# KiCad board AmigaPCI Mainboard.kicad_pcb (continued)
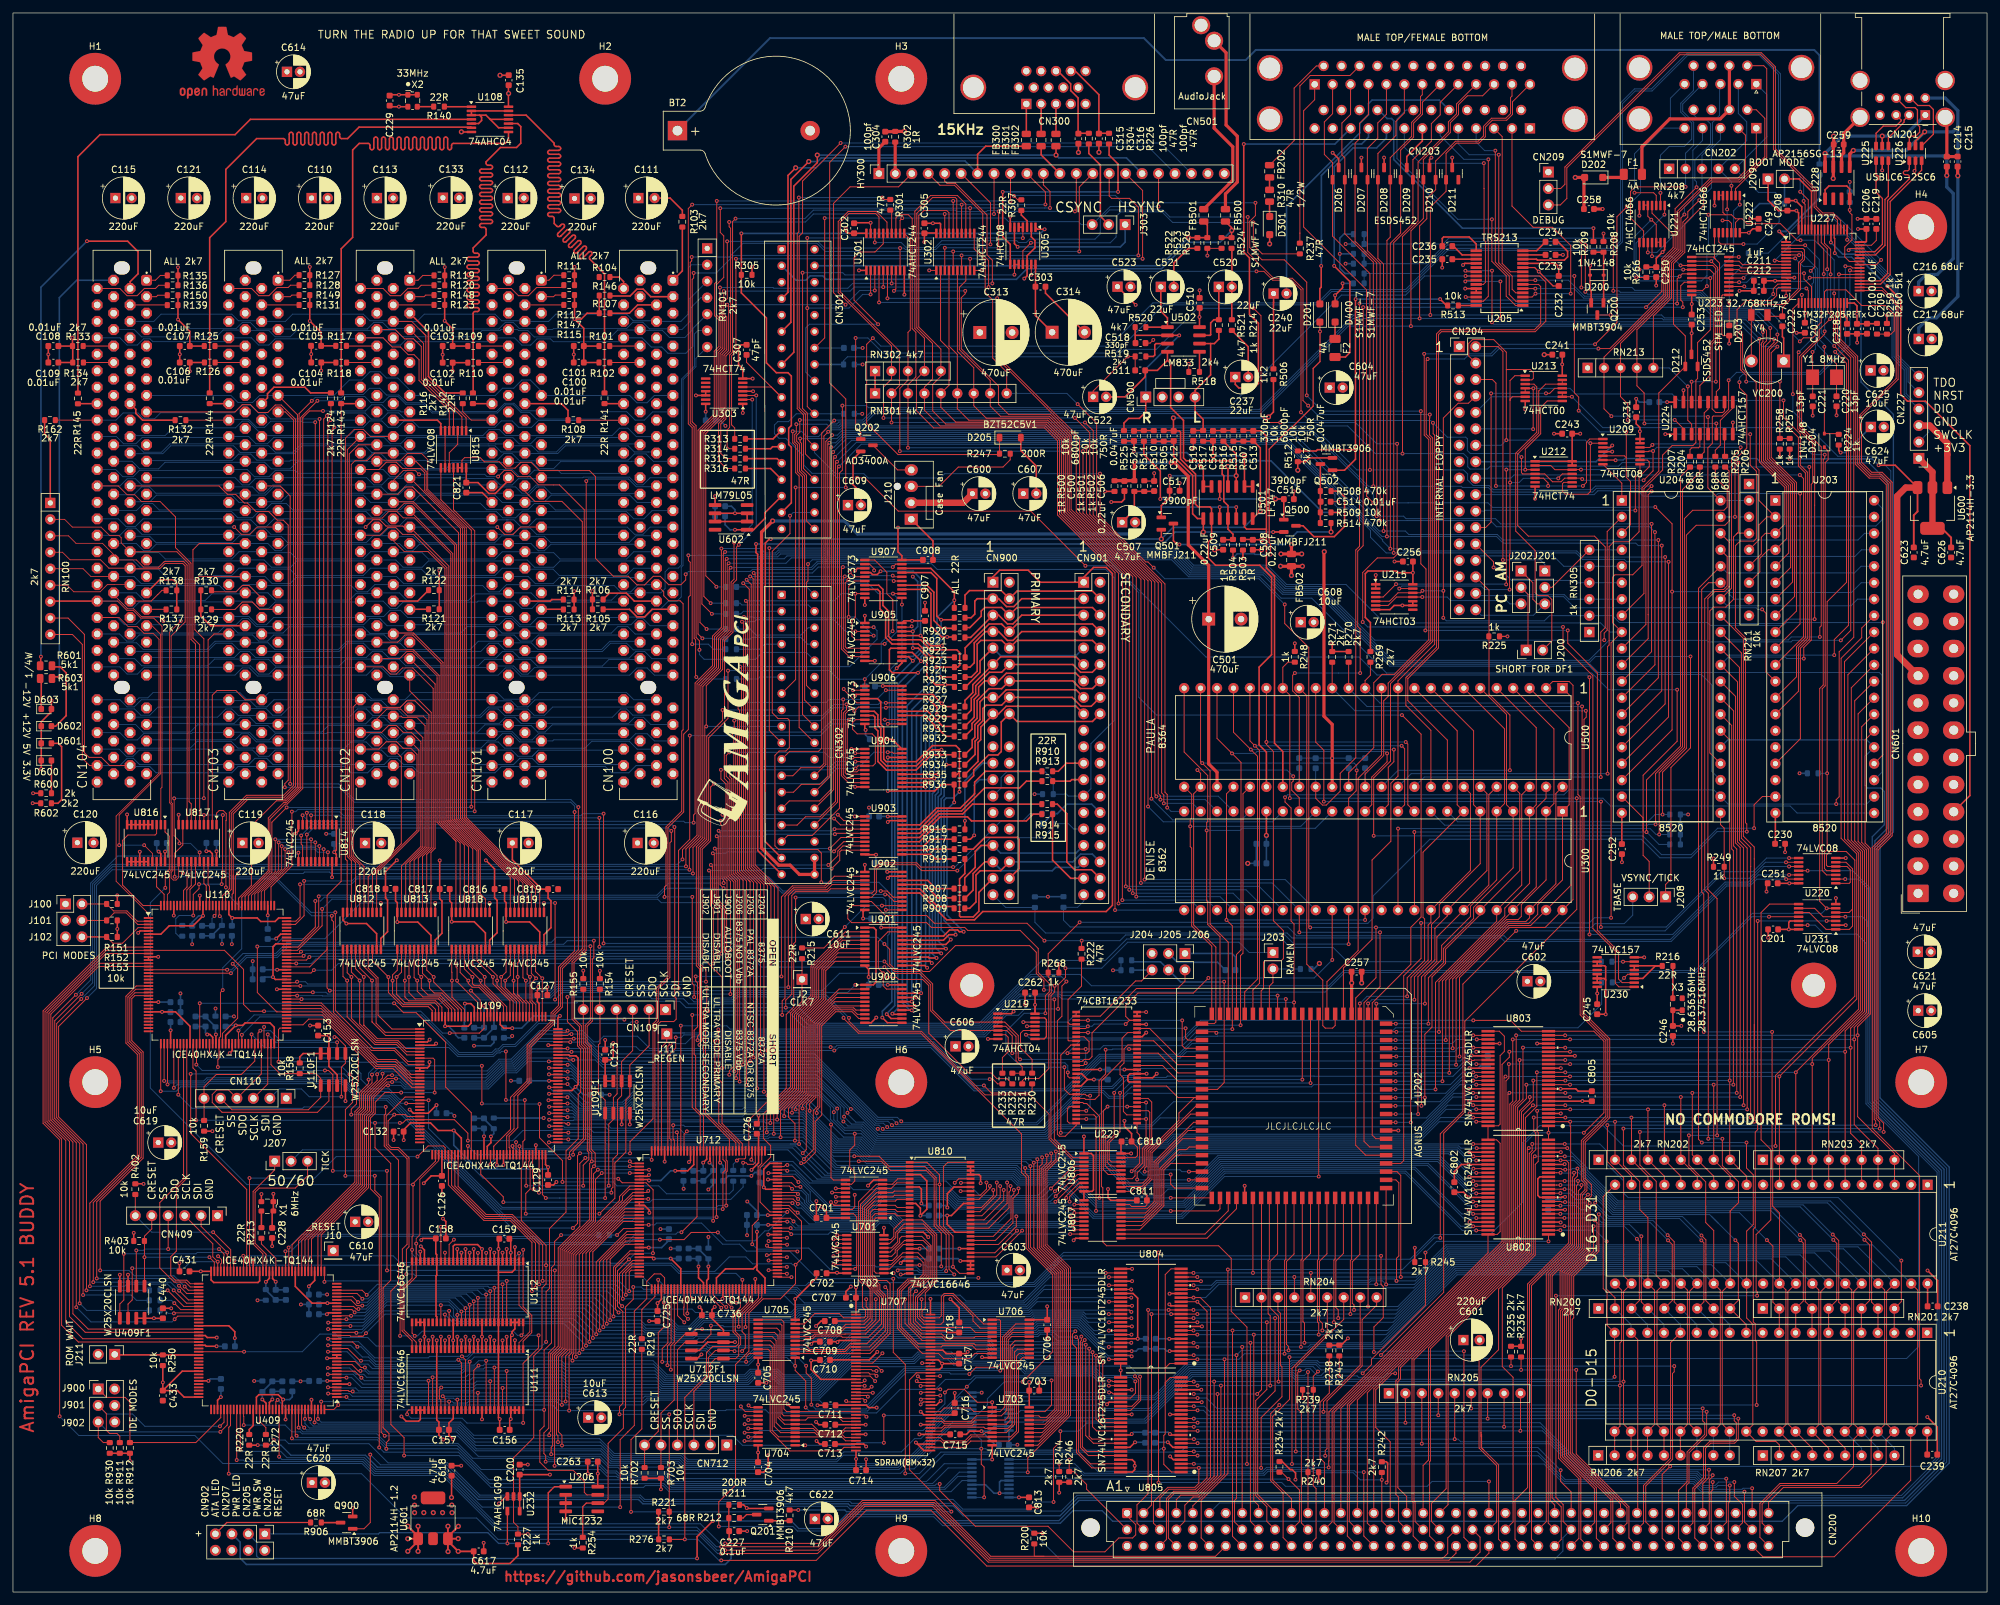
[diagram p0: board, top side]
## Routing (per net, layer and track width the routed paths; a pad name or vN(x,y) marks a point on that pad's centre or on a via; arc(x,y) is an arc through that point) (continued)
LVD2: length 247.8
  Top w0.15: U900.5 126.88,91.16 123.67,87.95 123.67,76.53 122.49,75.34 122.49,68.32 v1(121.94,67.77) ; 227.75,57.75 225.94,57.75 ; U109.64 78.23,68.82 v1(78.21,68.85) ; U704.13 112.99,27.21 v1(112.98,27.21)
  In2.Cu w0.15: v1(112.98,27.21) 102.53,37.66 102.53,48.92 105.51,51.9 108.28,51.9 120.68,64.3 120.68,66.37 121.94,67.63 v1(121.94,67.77)
  Bottom w0.15: v1(78.21,68.85) 78.62,68.44 83.06,68.44 83.51,68.88 120.83,68.88 v1(121.94,67.77) 125.35,64.37 154.37,64.37 155.28,63.45 159.21,63.45 159.66,63.9 162.72,63.9 167.17,59.44 181.06,59.44 186.9,65.29 216.38,65.29 223.91,57.75 v1(225.94,57.75)
LVD3: length 246.2
  Top w0.15: v1(121.38,69.19) 121.38,75.09 123.07,76.78 123.07,88.2 127.33,92.46 U900.3 ; 227.75,58.38 225.45,58.38 ; v1(113.54,26.57) 113.54,26.56 U704.14 ; U109.73 v1(82.76,69.44)
  In2.Cu w0.15: v1(121.38,69.19) 121.38,67.49 120.38,66.49 120.38,64.43 108.15,52.2 105.38,52.2 102.22,49.04 102.22,37.22 112.88,26.57 v1(113.54,26.57)
  Bottom w0.15: 120.03,69.19 v1(121.38,69.19) 121.38,69.08 125.79,64.66 154.49,64.66 155.41,63.75 159.09,63.75 159.54,64.2 162.84,64.2 167.3,59.75 180.93,59.75 186.78,65.59 216.5,65.59 223.7,58.39 v1(225.45,58.39) ; 120.03,69.19 91.68,69.19 91.5,69.37 82.84,69.37 v1(82.76,69.44) ; 120.03,69.19 121.27,69.19
LVD4: length 249.1
  Top w0.15: U901.8 127.18,98.05 125.19,96.06 125.19,91.59 122.17,88.57 122.17,77.15 119.74,74.72 119.74,73.34 120.74,72.34 v1(120.74,69.71) ; 227.75,59.65 225.94,59.65 ; U109.74 85.7,69.94 v1(85.75,69.89) ; U704.15 112.99,25.91 v1(112.98,25.92)
  In2.Cu w0.15: v1(120.74,69.71) 120.74,67.28 120.08,66.62 120.08,64.55 108.03,52.5 105.26,52.5 101.93,49.16 101.93,36.97 v1(112.98,25.92)
  Bottom w0.15: v1(85.75,69.89) 88.9,69.89 89.08,69.71 v1(120.74,69.71) 121.82,69.71 126.56,64.96 154.62,64.96 155.53,64.05 158.96,64.05 159.41,64.5 162.97,64.5 167.42,60.05 180.81,60.05 186.65,65.89 218.39,65.89 224.62,59.65 v1(225.94,59.65)
LVD5: length 253.1
  Top w0.15: v1(113.54,25.26) 113.54,25.26 U704.16 ; U109.75 v1(82.79,70.44) ; v1(118.52,70.24) 118.51,70.24 118.51,74.34 121.57,77.4 121.57,88.82 124.41,91.65 124.41,96.13 127.63,99.35 U901.6 ; 227.75,60.29 225.44,60.29
  In2.Cu w0.15: v1(113.54,25.26) 112.9,25.26 101.62,36.53 101.62,49.29 105.14,52.8 107.9,52.8 118.52,63.42 v1(118.52,70.24)
  Bottom w0.15: v1(225.44,60.29) 224.41,60.29 218.51,66.19 186.53,66.19 180.68,60.34 167.55,60.34 163.09,64.8 159.29,64.8 158.84,64.35 155.66,64.35 154.74,65.26 126.97,65.26 122,70.24 v1(118.52,70.24) 116.8,70.24 116.57,70.01 89.2,70.01 88.8,70.41 82.81,70.41 v1(82.79,70.44)
LVD6: length 252.4
  Top w0.15: 115.05,24.62 112.97,24.62 v1(112.97,24.61) ; 227.75,61.56 225.94,61.56 ; U901.4 128.08,100.65 123.81,96.38 123.81,91.9 120.97,89.07 120.97,77.65 117.47,74.14 117.47,70.76 v1(117.47,70.76) ; U109.76 v1(85.75,70.94)
  In2.Cu w0.15: v1(112.97,24.61) 101.32,36.25 101.32,49.41 105.01,53.1 107.78,53.1 118.22,63.54 118.22,68.92 117.47,69.67 v1(117.47,70.76)
  Bottom w0.15: v1(85.75,70.94) 88.7,70.94 89.33,70.31 116.45,70.31 116.9,70.76 v1(117.47,70.76) 121.89,70.76 127.09,65.56 154.87,65.56 155.78,64.65 158.71,64.65 159.16,65.1 169.23,65.1 173.16,61.17 177.29,61.17 178.34,62.22 182.14,62.22 186.41,66.49 219.96,66.49 224.88,61.56 v1(225.94,61.56)
LVD7: length 257.4
  Top w0.15: U109.78 v1(82.79,71.94) ; 116.39,71.28 116.39,73.92 120.37,77.9 120.37,89.32 123.21,92.15 123.21,96.63 128.53,101.95 U901.2 ; v1(113.54,23.96) 113.54,23.96 U704.18 ; 227.75,62.19 225.45,62.19
  In2.Cu w0.15: 116.39,71.28 116.39,70.33 117.92,68.8 117.92,63.66 107.66,53.4 104.89,53.4 101.03,49.54 101.03,35.81 112.88,23.96 v1(113.54,23.96)
  Bottom w0.15: v1(82.79,71.94) 85,71.94 85.17,71.76 91.55,71.76 92.03,71.28 96.67,71.28 96.94,71.56 102.89,71.56 103.84,70.61 116.01,70.61 v1(116.39,70.99) 116.68,71.28 121.87,71.28 127.29,65.87 155.02,65.87 155.94,64.95 158.59,64.95 159.04,65.4 169.35,65.4 172.23,62.52 182.01,62.52 186.28,66.79 220.08,66.79 224.68,62.19 v1(225.45,62.19)
LVD8: length 232.8
  Top w0.15: v1(156.29,65.47) 156.29,64.71 156.79,64.21 156.79,53.16 160.88,49.07 160.88,28.29 159.57,26.98 158.63,26.98 158.39,27.21 U703.18 ; v1(116.94,72.44) 116.94,74.04 120.67,77.77 120.67,89.19 123.51,92.03 123.51,96.5 128.3,101.3 U901.3 ; U109.79 85.21,72.44 85.36,72.29 v1(85.75,72.29) ; 227.75,62.83 225.92,62.83
  Bottom w0.15: v1(225.92,62.83) 224.46,62.83 220.21,67.09 186.16,67.09 181.89,62.82 172.36,62.82 169.48,65.7 158.92,65.7 158.47,65.25 156.74,65.25 156.51,65.47 v1(156.29,65.47) 155.6,66.16 131.78,66.16 130.09,67.85 126.58,67.85 121.99,72.44 v1(116.94,72.44) 116.23,72.44 116.06,72.61 97.46,72.61 96.47,71.62 92.34,71.62 91.68,72.29 v1(85.75,72.29)
LVD9: length 233.1
  Top w0.15: U703.17 159.58,26.56 161.18,28.17 161.18,49.2 157.09,53.29 v1(157.09,65.77) ; U109.80 v1(82.79,72.94) ; v1(117.99,72.96) 117.99,74.24 121.27,77.52 121.27,88.94 124.11,91.78 124.11,96.25 127.85,100 U901.5 ; 227.75,63.46 225.47,63.46
  Bottom w0.15: v1(225.47,63.46) 224.26,63.46 220.33,67.39 186.03,67.39 181.76,63.12 172.48,63.12 169.6,66 158.79,66 158.57,65.77 v1(157.09,65.77) 156.4,66.46 131.9,66.46 130.21,68.15 126.7,68.15 125.7,69.16 125.7,69.2 121.93,72.96 v1(117.99,72.96) 116.46,72.96 116.41,72.91 86.62,72.91 86.53,72.81 85.01,72.81 84.88,72.94 v1(82.79,72.94)
LVD10: length 227.8
  Top w0.15: 227.75,64.74 225.94,64.74 ; v1(85.63,73.34) 85.31,73.34 85.21,73.44 U109.81 ; U703.16 159.35,25.91 161.48,28.04 161.48,49.32 157.62,53.18 v1(157.62,66.3) ; v1(119.08,73.49) 119.08,74.48 121.87,77.28 121.87,88.69 124.89,91.71 124.89,96.19 127.4,98.7 U901.7
  Bottom w0.15: v1(225.94,64.73) 224.6,64.73 221.65,67.69 180.31,67.69 178.27,65.65 171.57,65.65 170.92,66.3 v1(157.62,66.3) 157.16,66.76 132.02,66.76 130.34,68.45 126.86,68.45 121.83,73.49 v1(119.08,73.49) 118.41,74.16 113.35,74.16 112.68,73.49 95.38,73.49 95.1,73.21 86.69,73.21 86.56,73.34 v1(85.63,73.34)
LVD11: length 229.5
  Top w0.15: 227.75,65.37 225.49,65.37 ; v1(158.16,66.84) 158.16,53.06 161.78,49.45 161.78,27.92 159.13,25.26 U703.15 ; v1(120.28,74.01) 120.28,74.84 122.47,77.03 122.47,88.45 125.49,91.46 125.49,95.94 126.95,97.4 U901.9 ; U109.82 v1(82.79,73.94)
  Bottom w0.15: v1(82.79,73.94) 84.96,73.94 85.03,73.87 86.46,73.87 86.82,73.51 94.98,73.51 95.48,74.01 112.78,74.01 113.23,74.46 119.19,74.46 119.64,74.01 v1(120.28,74.01) 121.27,74.01 121.47,73.81 121.93,73.81 126.99,68.75 130.46,68.75 132.15,67.06 157.94,67.06 v1(158.16,66.84) 158.4,66.6 171.05,66.6 171.69,65.95 178.15,65.95 180.18,67.99 221.77,67.99 224.39,65.37 v1(225.49,65.37)
LVD12: length 222.5
  Top w0.15: v1(120.84,74.53) 120.84,74.97 122.77,76.9 122.77,88.32 127.56,93.11 U900.2 ; v1(85.63,74.39) 85.58,74.44 U109.83 ; v1(158.91,67.13) 158.91,66.12 158.46,65.68 158.46,53.19 162.08,49.57 162.08,27.79 158.9,24.62 156.91,24.62 ; 227.75,66.64 225.94,66.64
  Bottom w0.15: 158.67,67.37 159.13,66.9 171.17,66.9 171.82,66.25 178.02,66.25 180.06,68.29 222.98,68.29 224.63,66.64 v1(225.94,66.64) ; 158.67,67.37 v1(158.91,67.13) ; 158.67,67.37 132.27,67.37 130.59,69.05 127.11,69.05 122.05,74.11 121.59,74.11 121.17,74.53 v1(120.84,74.53) 120.62,74.76 112.81,74.76 112.59,74.53 95.58,74.53 94.85,73.81 86.94,73.81 86.36,74.39 v1(85.63,74.39)
LVD13: length 224.3
  Top w0.15: U900.4 127.11,91.81 123.37,88.07 123.37,76.65 121.91,75.19 v1(121.91,74.68) ; v1(159.63,67.43) 159.63,66.28 158.76,65.42 158.76,53.31 162.38,49.7 162.38,27.67 158.68,23.96 U703.13 ; U109.84 v1(82.79,74.94) ; 227.75,67.27 225.48,67.27
  Bottom w0.15: v1(225.48,67.28) 224.41,67.28 223.11,68.59 179.93,68.59 177.9,66.56 171.94,66.56 171.29,67.2 159.85,67.2 v1(159.63,67.43) 159.39,67.66 132.4,67.66 130.71,69.35 127.24,69.35 v1(121.91,74.68) 121.53,75.06 95.68,75.06 94.73,74.11 87.07,74.11 86.26,74.91 82.81,74.91 v1(82.79,74.94)
LVD14: length 221.4
  Top w0.15: v1(160.31,67.74) 160.31,66.54 159.06,65.29 159.06,53.44 162.68,49.82 162.68,27.54 158.45,23.31 U703.12 ; U900.6 126.66,90.51 123.97,87.82 123.97,76.41 123.01,75.44 v1(123.01,74.32) ; 227.75,68.55 226.01,68.55 ; U109.85 v1(85.62,75.44)
  Bottom w0.15: v1(85.62,75.44) 86.16,75.44 87.19,74.41 94.6,74.41 95.55,75.36 121.97,75.36 v1(123.01,74.32) 123.01,74 127.36,69.65 130.83,69.65 132.52,67.96 160.09,67.96 v1(160.31,67.74) 160.55,67.5 171.42,67.5 172.07,66.85 177.78,66.85 179.81,68.89 223.23,68.89 223.58,68.54 v1(226.01,68.54)
LVD15: length 222.3
  Top w0.15: U109.87 85.59,76.44 v1(85.61,76.41) ; U900.8 130.38,89.21 129.68,89.91 126.91,89.91 124.57,87.58 124.57,74.9 124.09,74.42 v1(124.09,73.98) ; 227.75,69.18 225.46,69.18 ; U703.11 158.22,22.66 162.98,27.42 162.98,49.94 159.36,53.56 159.36,65.17 161.02,66.83 v1(161.02,68.03)
  Bottom w0.15: v1(85.61,76.41) 87.31,74.71 94.48,74.71 95.43,75.66 122.41,75.66 v1(124.09,73.98) 124.09,73.34 127.48,69.95 130.96,69.95 132.65,68.26 160.79,68.26 v1(161.02,68.03) 171.32,68.03 172.19,67.15 177.65,67.15 179.69,69.19 225.45,69.19 v1(225.46,69.18)
LVD16: length 286.7
  Top w0.15: v1(128.15,158.27) 127.91,158.03 127.91,145.63 129.1,144.44 U905.9 ; v1(117.06,76.19) 117.06,82.78 118.13,83.85 118.13,108.75 114.59,112.29 114.59,157.14 v1(114.37,157.37) ; v1(135.85,158.27) 136.3,158.72 U907.19 ; U803.47 225.93,72.63 v1(225.93,72.63) ; v1(126.3,72.19) 126.3,64 126.68,63.62 U701.11 ; U109.88 v1(82.78,76.94)
  Bottom w0.15: v1(114.37,157.37) 123.43,157.37 124.34,158.27 v1(128.15,158.27) v1(135.85,158.27) ; v1(225.93,72.63) 225.93,72.63 220.21,72.63 217.07,69.49 179.56,69.49 178.64,68.56 132.77,68.56 131.08,70.25 128.25,70.25 v1(126.3,72.19) 126.3,72.51 122.63,76.19 95.52,76.19 94.35,75.01 87.8,75.01 85.87,76.94 v1(82.78,76.94)
LVD17: length 282.7
  Top w0.15: U109.90 v1(82.79,77.94) ; U905.7 128.74,145.74 128.51,145.97 128.51,155.83 v1(128.99,156.31) ; U803.46 225.46,73.27 v1(225.46,73.27) ; v1(113.29,156.3) 113.99,155.6 113.99,112.04 117.03,109 117.03,83.31 116.51,82.79 v1(116.51,76.71) ; v1(135.99,156.12) U907.15 ; U701.12 129.49,62.97 129.97,63.46 129.97,64.85 129.2,65.62 129.2,68.25 129.97,69.02 v1(129.97,70.78)
  Bottom w0.15: v1(113.29,156.3) 113.29,156.31 v1(128.99,156.31) 135.81,156.31 v1(135.99,156.12) ; v1(225.46,73.27) 220.43,73.27 216.95,69.79 179.44,69.79 178.51,68.87 132.89,68.87 130.98,70.78 v1(129.97,70.78) 128.46,70.78 126.21,73.03 126.21,74.86 124.36,76.71 v1(116.51,76.71) 95.62,76.71 94.25,75.34 87.9,75.34 86,77.24 83.49,77.24 v1(82.79,77.94)
LVD18: length 271
  Top w0.15: v1(113.17,153.06) 113.39,152.84 113.39,111.79 115.95,109.23 v1(115.95,77.25) ; U109.91 v1(85.62,78.44) ; U905.5 130.09,147.04 129.54,147.6 129.54,150.01 130.06,150.54 v1(130.06,154.17) 130.06,154.17 U907.9 ; U701.13 127.04,62.32 v1(127.04,62.33) ; v1(225.94,74.54) 225.94,74.54 U803.44
  In2.Cu w0.15: v1(127.04,62.33) 127.88,63.16 127.88,71.81 126.74,72.95 v1(126.74,74.1)
  Bottom w0.15: v1(85.62,78.44) 88.42,75.64 94.13,75.64 95.74,77.25 v1(115.95,77.25) 124.24,77.25 126.74,74.76 v1(126.74,74.1) 126.74,72.92 128.36,71.3 130.88,71.3 133.02,69.16 178.39,69.16 179.31,70.09 216.83,70.09 221.28,74.54 v1(225.94,74.54) ; v1(113.17,153.06) 126.79,153.06 127.9,154.17 v1(130.06,154.17)
LVD19: length 272.9
  Top w0.15: U109.93 85.22,79.44 85.34,79.31 v1(85.64,79.31) ; U905.3 130.06,148.34 v1(130.06,148.34) ; U803.43 225.46,75.17 v1(225.45,75.18) ; U701.14 126.49,61.68 v1(126.47,61.69) ; U907.5 129.91,156.77 v1(129.2,157.48) ; v1(114.89,77.77) 114.89,109.44 112.79,111.54 112.79,149.61 v1(112.57,149.84)
  In2.Cu w0.15: v1(130.06,148.34) 130.06,150.29 129.51,150.83 129.51,157.16 v1(129.2,157.48) ; v1(127.26,74.65) 127.26,72.85 128.18,71.94 128.18,62.28 127.58,61.69 v1(126.47,61.69)
  Bottom w0.15: v1(130.06,148.34) 128.56,148.34 126.76,150.14 114.77,150.14 114.47,149.84 v1(112.57,149.84) ; v1(85.64,79.31) 86.42,79.31 87.96,77.77 v1(114.89,77.77) 124.14,77.77 v1(127.26,74.65) 127.26,72.82 128.43,71.66 130.95,71.66 133.14,69.46 178.26,69.46 179.19,70.39 216.71,70.39 221.49,75.18 v1(225.45,75.18)
LVD20: length 267.4
  Top w0.15: v1(111.67,135.33) 111.89,135.1 111.89,111.17 113.27,109.79 v1(113.27,78.3) ; v1(127.06,61.03) 127.06,61.02 U701.15 ; v1(128.7,137.07) 128.7,136.24 128.21,135.75 128.21,126.19 128.78,125.63 U904.8 ; v1(225.94,76.44) 225.94,76.44 U803.41 ; v1(134.78,137.3) 134.79,137.31 U906.16 ; U109.94 v1(82.77,79.94)
  In2.Cu w0.15: v1(127.06,61.03) 127.82,61.03 128.47,61.69 128.47,72.42 v1(128.22,72.67)
  Bottom w0.15: v1(82.77,79.94) 82.87,79.84 86.32,79.84 87.86,78.3 v1(113.27,78.3) 124.36,78.3 127.8,74.87 127.8,73.1 v1(128.22,72.67) 128.93,71.96 131.07,71.96 133.27,69.76 178.14,69.76 179.07,70.69 216.58,70.69 222.33,76.44 v1(225.94,76.44) ; v1(134.78,137.3) 133.83,137.3 133.6,137.07 126.73,137.07 124.99,135.33 v1(111.67,135.33)
LVD21: length 259.7
  Top w0.15: v1(129.06,134.71) 128.81,134.46 128.81,126.91 129.06,126.66 130.31,126.66 130.58,126.93 U904.6 ; v1(225.44,77.08) 225.44,77.08 U803.40 ; v1(127.06,60.27) 127.16,60.38 U701.16 ; U109.95 85.21,80.44 85.28,80.36 v1(85.65,80.36) ; v1(134.62,134.71) U906.12 ; v1(111.07,132.79) 111.07,132.13 111.29,131.91 111.29,110.92 112.2,110.01 v1(112.2,78.83)
  In2.Cu w0.15: v1(127.06,60.27) 127.48,60.27 128.78,61.56 128.78,72.96 v1(128.32,73.41)
  Bottom w0.15: v1(85.65,80.36) 86.22,80.36 87.76,78.83 v1(112.2,78.83) 124.26,78.83 128.32,74.76 v1(128.32,73.41) 129.47,72.26 131.21,72.26 133.41,70.06 159.69,70.06 161.17,71.55 181.88,71.55 182.18,71.84 217.31,71.84 222.47,77.01 225.37,77.01 v1(225.44,77.08) ; v1(134.62,134.71) v1(129.06,134.71) 126.56,134.71 124.64,132.79 v1(111.07,132.79)
LVD22: length 254.3
  Top w0.15: U803.38 225.94,78.35 v1(225.94,78.35) ; U906.6 130.55,136.66 v1(129.91,136.02) ; v1(111.66,79.36) 111.66,79.89 111.9,80.13 111.9,109.89 110.99,110.8 110.99,125.6 110.69,125.9 v1(110.69,127.49) ; 127.59,59.72 126.79,59.72 ; 127.59,59.72 126.96,59.72 ; 127.59,59.72 U701.17 ; 126.79,59.72 126.96,59.72 ; 126.79,59.72 v1(126.3,60.21) ; 126.96,59.72 126.77,59.72 ; v1(130.08,128.23) 130.08,128.23 U904.4 ; U109.96 v1(82.76,80.94)
  In2.Cu w0.15: v1(126.3,60.21) 126.78,59.73 127.37,59.73 129.07,61.44 129.07,73.78 v1(128.85,74.01) ; v1(129.91,136.02) 130.56,135.37 130.56,128.71 v1(130.08,128.23)
  Bottom w0.15: v1(225.94,78.35) 223.39,78.35 218.25,73.22 177.12,73.22 175.75,71.85 161.05,71.85 159.56,70.37 133.53,70.37 131.33,72.56 130.13,72.56 128.85,73.84 v1(128.85,74.01) 128.85,74.66 124.15,79.36 v1(111.66,79.36) 87.65,79.36 86.12,80.89 82.81,80.89 v1(82.76,80.94) ; v1(130.08,128.23) 127,128.23 126.27,127.5 110.7,127.5 v1(110.69,127.49)
LVD23: length 255.5
  Top w0.15: U109.97 85.62,81.44 v1(85.65,81.41) ; v1(110.06,130.25) 109.83,130.02 109.83,125.63 110.39,125.07 110.39,110.55 111.3,109.64 111.3,81.17 110.61,80.48 v1(110.61,79.88) ; v1(129.7,139.26) U906.2 ; U701.18 129.57,59.07 129.97,59.47 v1(129.97,61.34) ; v1(225.45,78.98) 225.46,78.98 U803.37 ; U904.2 130.04,129.53 v1(130.04,129.53)
  In2.Cu w0.15: v1(129.38,74.59) 129.38,74.58 129.38,61.94 v1(129.97,61.34) ; v1(129.7,139.26) 128.88,139.26 127.68,138.06 127.68,137.14 130.04,134.78 v1(130.04,129.53)
  Bottom w0.15: v1(130.04,129.53) 127.42,129.53 126.7,130.25 v1(110.06,130.25) ; v1(225.45,78.98) 223.59,78.98 220.33,75.72 179.2,75.72 175.63,72.15 160.92,72.15 159.44,70.66 133.65,70.66 129.73,74.59 v1(129.38,74.59) 124.11,79.85 124.11,79.88 v1(110.61,79.88) 87.55,79.88 86.02,81.41 v1(85.65,81.41)
LVD24: length 323.3
  Top w0.15: v1(111.38,80.41) 111.38,80.81 111.6,81.04 111.6,109.76 110.69,110.67 110.69,125.41 110.13,125.97 110.13,129.19 v1(110.61,129.67) ; U109.98 v1(82.75,81.94) ; v1(225.92,79.62) 225.92,79.62 U803.36 ; U409.38 47.59,55.15 54.89,62.45 54.89,73.31 55.63,74.06 55.63,76.28 57.59,78.23 v1(57.91,78.23) ; v1(128.27,139.45) 128.27,139.34 130.3,137.31 U906.5 ; U904.3 129.64,128.88 v1(129.63,128.88) ; 128.75,55.1 127.26,55.1
  In2.Cu w0.15: v1(133.54,71.53) 131.46,69.45 131.46,64.47 130.5,63.51 130.5,58.33 v1(127.26,55.1) ; v1(129.63,128.88) 127.38,131.14 127.38,138.55 v1(128.27,139.45)
  Bottom w0.15: v1(110.61,129.67) 125.28,129.67 126.07,128.88 v1(129.63,128.88) ; v1(225.92,79.62) 223.81,79.62 221.21,77.02 172.13,77.02 171.37,76.25 169.14,76.25 168.23,77.17 165.52,77.17 159.31,70.96 134.1,70.96 v1(133.54,71.53) 133.22,71.53 124.32,80.42 124.31,80.41 v1(111.38,80.41) 109.72,80.41 109.72,80.41 93.86,80.41 93.85,80.41 87.45,80.41 85.92,81.94 v1(82.75,81.94) 79.54,81.94 77.78,80.18 75.91,80.18 73.42,77.69 60.44,77.69 59.9,78.23 v1(57.91,78.23)
LVD25: length 323.5
  Top w0.15: v1(58.54,78.76) 57.69,78.76 55.34,76.41 55.34,74.18 54.59,73.44 54.59,62.57 47.09,55.07 U409.39 ; v1(109.5,80.93) 109.5,94.94 106.41,98.02 106.41,114.7 107.72,116.01 107.72,124.3 v1(108.25,124.83) ; v1(130.09,127.18) 130.49,127.58 U904.5 132.78,127.58 133.15,127.95 133.15,132.04 132.67,132.52 130.35,132.52 129.64,133.23 129.64,134.25 130.1,134.71 U906.9 ; 128.75,54.45 126.69,54.45 ; U109.99 85.53,82.44 85.81,82.16 v1(86.51,82.16) ; U803.35 225.47,80.25 v1(225.47,80.25)
  In2.Cu w0.15: v1(134.29,71.51) 131.76,68.98 131.76,64.35 130.8,63.38 130.8,57.89 127.36,54.46 v1(126.68,54.46)
  Bottom w0.15: v1(58.54,78.76) 59.79,78.76 60.56,77.99 73.3,77.99 75.79,80.48 77.65,80.48 79.64,82.46 86.21,82.46 v1(86.51,82.16) 89.91,82.16 91.14,80.94 94.24,80.94 94.24,80.93 v1(109.5,80.93) 109.5,80.94 124.23,80.94 133.07,72.1 133.71,72.1 v1(134.29,71.51) 134.54,71.26 159.19,71.26 165.39,77.47 168.35,77.47 169.26,76.55 171.25,76.55 172.7,78.01 200.5,78.01 200.85,78.35 221.94,78.35 223.83,80.25 v1(225.47,80.25) ; v1(108.25,124.83) 108.25,124.83 124.86,124.83 127.21,127.18 v1(130.09,127.18)
LVD26: length 334.8
  Top w0.15: U803.33 225.94,81.52 v1(225.94,81.52) ; U904.7 128.73,126.28 128.51,126.5 128.51,135.63 129.3,136.42 v1(129.3,136.54) ; 128.75,53.81 127.28,53.81 ; v1(111.37,134.57) 111.37,133.6 111.59,133.38 111.59,111.05 112.73,109.91 v1(112.73,81.46) ; v1(59.15,79.28) 57.79,79.28 55.03,76.53 55.03,74.31 54.29,73.56 54.29,62.7 46.09,54.5 U409.41 ; v1(134.78,136.55) 134.89,136.66 U906.15 ; 84.17,83.41 v1(86.24,83.41)
  In2.Cu w0.15: v1(127.27,53.81) 131.1,57.63 131.1,63.26 132.06,64.22 132.06,68.04 134.99,70.97 v1(134.99,71.79)
  Bottom w0.15: v1(225.94,81.52) 224.21,81.52 222.34,79.64 200.9,79.64 200.88,79.67 178.24,79.67 178.04,79.46 171.51,79.46 169.82,77.77 165.27,77.77 159.06,71.56 135.22,71.56 v1(134.99,71.79) 134.38,72.4 133.19,72.4 124.14,81.45 112.74,81.45 v1(112.73,81.46) 91.04,81.46 89.09,83.41 v1(86.24,83.41) 80.16,83.41 77.53,80.78 75.66,80.78 73.18,78.29 60.68,78.29 59.69,79.28 v1(59.15,79.28) ; v1(134.78,136.55) 126.63,136.55 124.65,134.57 v1(111.37,134.57)
LVD27: length 342.3
  Top w0.15: v1(58.53,79.81) 57.89,79.81 54.74,76.65 54.74,74.43 53.99,73.69 53.99,62.82 45.59,54.42 U409.42 ; 113.82,109.67 113.62,109.86 ; 113.81,109.67 v1(113.81,81.98) ; 113.81,109.67 113.62,109.86 ; 113.62,109.86 112.19,111.3 112.19,136.15 111.97,136.37 v1(111.97,137.37) ; U803.32 225.63,82.16 225.56,82.09 v1(224.99,82.09) ; U906.19 v1(134.78,139.26) ; v1(128.2,137.84) 128.18,137.81 128.18,136.34 127.91,136.08 127.91,126.07 129,124.98 U904.9 ; 128.75,53.15 126.69,53.15 ; U109.102 v1(85.63,83.94)
  In2.Cu w0.15: v1(135.71,72.09) 135.71,71.27 132.36,67.92 132.36,64.1 131.39,63.13 131.39,57.19 127.37,53.17 v1(126.68,53.17)
  Bottom w0.15: v1(58.53,79.81) 59.59,79.81 60.81,78.59 73.05,78.59 75.54,81.08 77.4,81.08 80.2,83.88 85.56,83.88 v1(85.63,83.94) 88.99,83.94 90.94,81.98 113.81,81.98 v1(113.81,81.98) 124.04,81.98 133.32,72.7 135.1,72.7 v1(135.71,72.09) 135.94,71.87 158.94,71.87 165.14,78.07 169.69,78.07 171.39,79.76 173.1,79.76 174.18,80.85 222.99,80.85 224.23,82.09 v1(224.99,82.09) ; v1(111.97,137.37) 125.55,137.37 126.02,137.84 v1(128.2,137.84) 133.36,137.84 v1(134.78,139.26)
LVD28: length 347
  Top w0.15: U803.30 225.94,83.43 v1(225.94,83.43) ; v1(57.06,80.05) 57.06,79.41 54.44,76.78 54.44,74.56 53.69,73.81 53.69,62.94 45.09,54.34 U409.43 ; v1(132.97,157.75) 132.97,158.02 132.27,158.72 U907.2 ; v1(112.27,142.9) 112.49,142.68 112.49,111.42 114.34,109.57 v1(114.34,82.55) ; U905.2 132.89,148.99 v1(132.89,148.99) ; 128.75,52.5 127.28,52.5 ; v1(86.05,84.91) 86.03,84.94 U109.104
  In2.Cu w0.15: v1(132.89,148.99) 132.12,148.99 130.88,150.22 130.88,155.66 v1(132.97,157.75) ; 127.14,52.51 131.69,57.07 131.69,61.29 132.66,62.25 132.66,67.79 136.42,71.56 v1(136.42,72.39)
  Bottom w0.15: v1(225.94,83.43) 224.91,83.43 223.49,82.01 167.98,82.01 158.13,72.16 136.64,72.16 v1(136.42,72.39) 135.81,73 133.44,73 123.89,82.55 v1(114.34,82.55) 90.8,82.55 88.44,84.91 v1(86.05,84.91) 85.94,85.02 80.92,85.02 77.28,81.38 75.41,81.38 72.93,78.89 60.93,78.89 59.49,80.33 57.35,80.33 v1(57.06,80.05) ; v1(112.27,142.9) 129.18,142.9 133.42,147.13 133.42,148.46 v1(132.89,148.99)
  vias: v1(127.27,52.51)
LVD29: length 349.2
  Top w0.15: U907.6 129.86,156.12 129.04,155.29 v1(129.04,150.57) ; U409.44 44.59,54.27 53.39,63.07 53.39,73.94 54.13,74.68 54.13,76.9 56.23,79 v1(56.23,79.96) ; U803.29 225.49,84.06 v1(225.48,84.07) ; v1(86.59,85.45) 86.58,85.44 U109.105 ; U905.4 132.88,147.69 v1(132.89,147.68) ; v1(112.87,150.57) 113.09,150.35 113.09,111.67 115.42,109.34 v1(115.42,83.1) ; 128.75,51.85 126.69,51.85
  In2.Cu w0.15: v1(137.15,72.69) 137.15,71.87 132.96,67.67 132.96,62.22 133,62.18 133,59.59 132,58.59 132,56.49 127.36,51.86 v1(126.68,51.86)
  Bottom w0.15: v1(225.48,84.07) 223.17,84.07 222.54,83.44 181.2,83.44 180.2,82.44 167.98,82.44 158.01,72.46 137.38,72.46 v1(137.15,72.69) 136.55,73.3 133.57,73.3 123.76,83.1 115.43,83.1 v1(115.42,83.1) 90.67,83.1 88.32,85.45 v1(86.59,85.45) 80.93,85.45 77.16,81.68 75.29,81.68 73.03,79.42 60.83,79.42 59.62,80.63 56.91,80.63 v1(56.23,79.96) ; v1(132.89,147.68) 130,150.57 128.52,150.57 128.39,150.44 114.36,150.44 114.23,150.57 v1(112.87,150.57)
LVD30: length 366.3
  Top w0.15: 128.75,51.2 127.26,51.2 ; v1(135.87,154.17) 135.87,154.17 U907.12 ; U109.106 85.66,85.94 85.88,86.16 v1(86.23,86.16) ; v1(134.59,146.41) 134.57,146.39 U905.6 ; U409.45 44.09,54.19 53.09,63.19 53.09,74.06 53.84,74.8 53.84,77.03 55.44,78.63 v1(55.44,79.9) ; v1(112.75,155.78) 112.77,155.78 113.69,154.86 113.69,111.92 116.49,109.12 v1(116.49,83.63) ; U803.27 226.01,85.33 v1(226.01,85.33)
  In2.Cu w0.15: v1(127.26,51.21) 126.59,51.21 125.78,52.02 125.78,74.1 126.81,75.13 v1(126.81,83.62)
  Bottom w0.15: v1(134.59,146.41) 136.45,148.27 136.45,153.59 v1(135.87,154.17) 133.6,154.17 131.99,155.78 v1(112.75,155.78) ; v1(226.01,85.33) 222.83,85.33 222.21,84.7 182.04,84.7 180.07,82.74 167.86,82.74 162.52,77.4 148.38,77.4 141.7,84.08 127.46,84.08 127,83.62 v1(126.81,83.62) 116.5,83.62 v1(116.49,83.63) 96.78,83.63 96.21,84.2 89.99,84.2 88.04,86.16 v1(86.23,86.16) 81.21,86.16 77.03,81.98 75.16,81.98 73.13,79.94 60.73,79.94 59.74,80.94 56.47,80.94 v1(55.44,79.9)
LVD31: length 370.6
  Top w0.15: v1(225.46,85.97) 225.46,85.97 U803.26 ; v1(85.63,86.69) 85.38,86.44 U109.107 ; v1(135.84,156.95) 136.02,156.77 U907.16 ; 128.75,50.56 126.69,50.56 ; v1(117.56,84.15) 117.56,108.9 114.29,112.17 114.29,156.47 113.93,156.83 v1(113.82,156.83) ; U905.8 128.87,145.09 128.21,145.75 128.21,156.6 v1(128.44,156.83) ; U409.47 43.09,53.62 52.79,63.32 52.79,74.18 53.53,74.93 53.53,77.15 54.91,78.53 v1(54.91,79.13)
  In2.Cu w0.15: v1(126.69,50.55) 125.48,51.76 125.48,74.22 126.25,75 v1(126.25,84.15)
  Bottom w0.15: v1(113.82,156.83) v1(128.44,156.83) 131.12,156.83 131.24,156.95 v1(135.84,156.95) ; v1(225.46,85.97) 224.47,85.97 224.36,85.85 185.99,85.85 185.96,85.82 182.74,85.82 179.95,83.04 167.73,83.04 162.39,77.7 148.51,77.7 141.83,84.38 127.21,84.38 126.98,84.15 v1(126.25,84.15) v1(117.56,84.15) 117.56,84.16 112.07,84.16 111.84,83.93 98.33,83.93 96.43,85.83 91.2,85.83 90.34,84.96 89.66,84.96 87.94,86.69 v1(85.63,86.69) 81.31,86.69 76.91,82.28 75.04,82.28 73.23,80.47 60.63,80.47 59.86,81.23 56.03,81.23 54.91,80.12 v1(54.91,79.13)
LVDRA0-G: length 53.7
  Top w0.15: v1(160.96,60.26) 162.08,61.38 162.08,61.38 164.52,63.82 U806.7 ; v1(121.59,62.58) 120.83,62.58 120.21,63.2 U712.102
  Bottom w0.15: v1(160.96,60.26) 160.74,60.04 160.2,60.04 ; 160.2,60.04 160.74,60.04 ; 160.2,60.04 145.79,60.04 144.34,61.5 134.08,61.5 131.21,58.62 124.52,58.62 122.8,60.35 122.8,61.37 v1(121.59,62.58)
LVDRA1-0: length 53.1
  Top w0.15: U712.101 119.85,62.7 v1(120.29,62.26) ; U806.8 164.62,63.18 162.62,61.18 v1(162.62,60.86)
  Bottom w0.15: v1(162.62,60.86) 161.51,59.74 145.67,59.74 144.21,61.19 134.21,61.19 131.34,58.32 124.4,58.32 122.5,60.23 122.5,61.24 121.75,61.99 120.56,61.99 v1(120.29,62.26)
LVDRA2-1: length 52.6
  Top w0.15: v1(163.15,60.28) 163.15,61.05 164.62,62.52 165.36,62.52 ; v1(121.21,61.46) 120.97,61.7 U712.99
  Bottom w0.15: v1(121.21,61.46) 122.2,60.47 122.2,60.1 124.27,58.02 131.46,58.02 134.33,60.89 144.09,60.89 145.54,59.44 161.96,59.44 162.8,60.28 v1(163.15,60.28)
LVDRA3-2: length 50.9
  Top w0.15: U807.2 163.88,59.83 v1(163.88,59.83) ; v1(121.23,60.7) 120.73,61.2 U712.98
  Bottom w0.15: v1(163.88,59.83) 163.81,59.75 162.7,59.75 162.09,59.14 145.42,59.14 143.96,60.59 134.46,60.59 131.59,57.72 124.15,57.72 121.81,60.07 121.81,60.12 v1(121.23,60.7)
